# Altium PCB DIOT_Kasli_Adapter.PcbDoc (part 7 of 10) (continued)
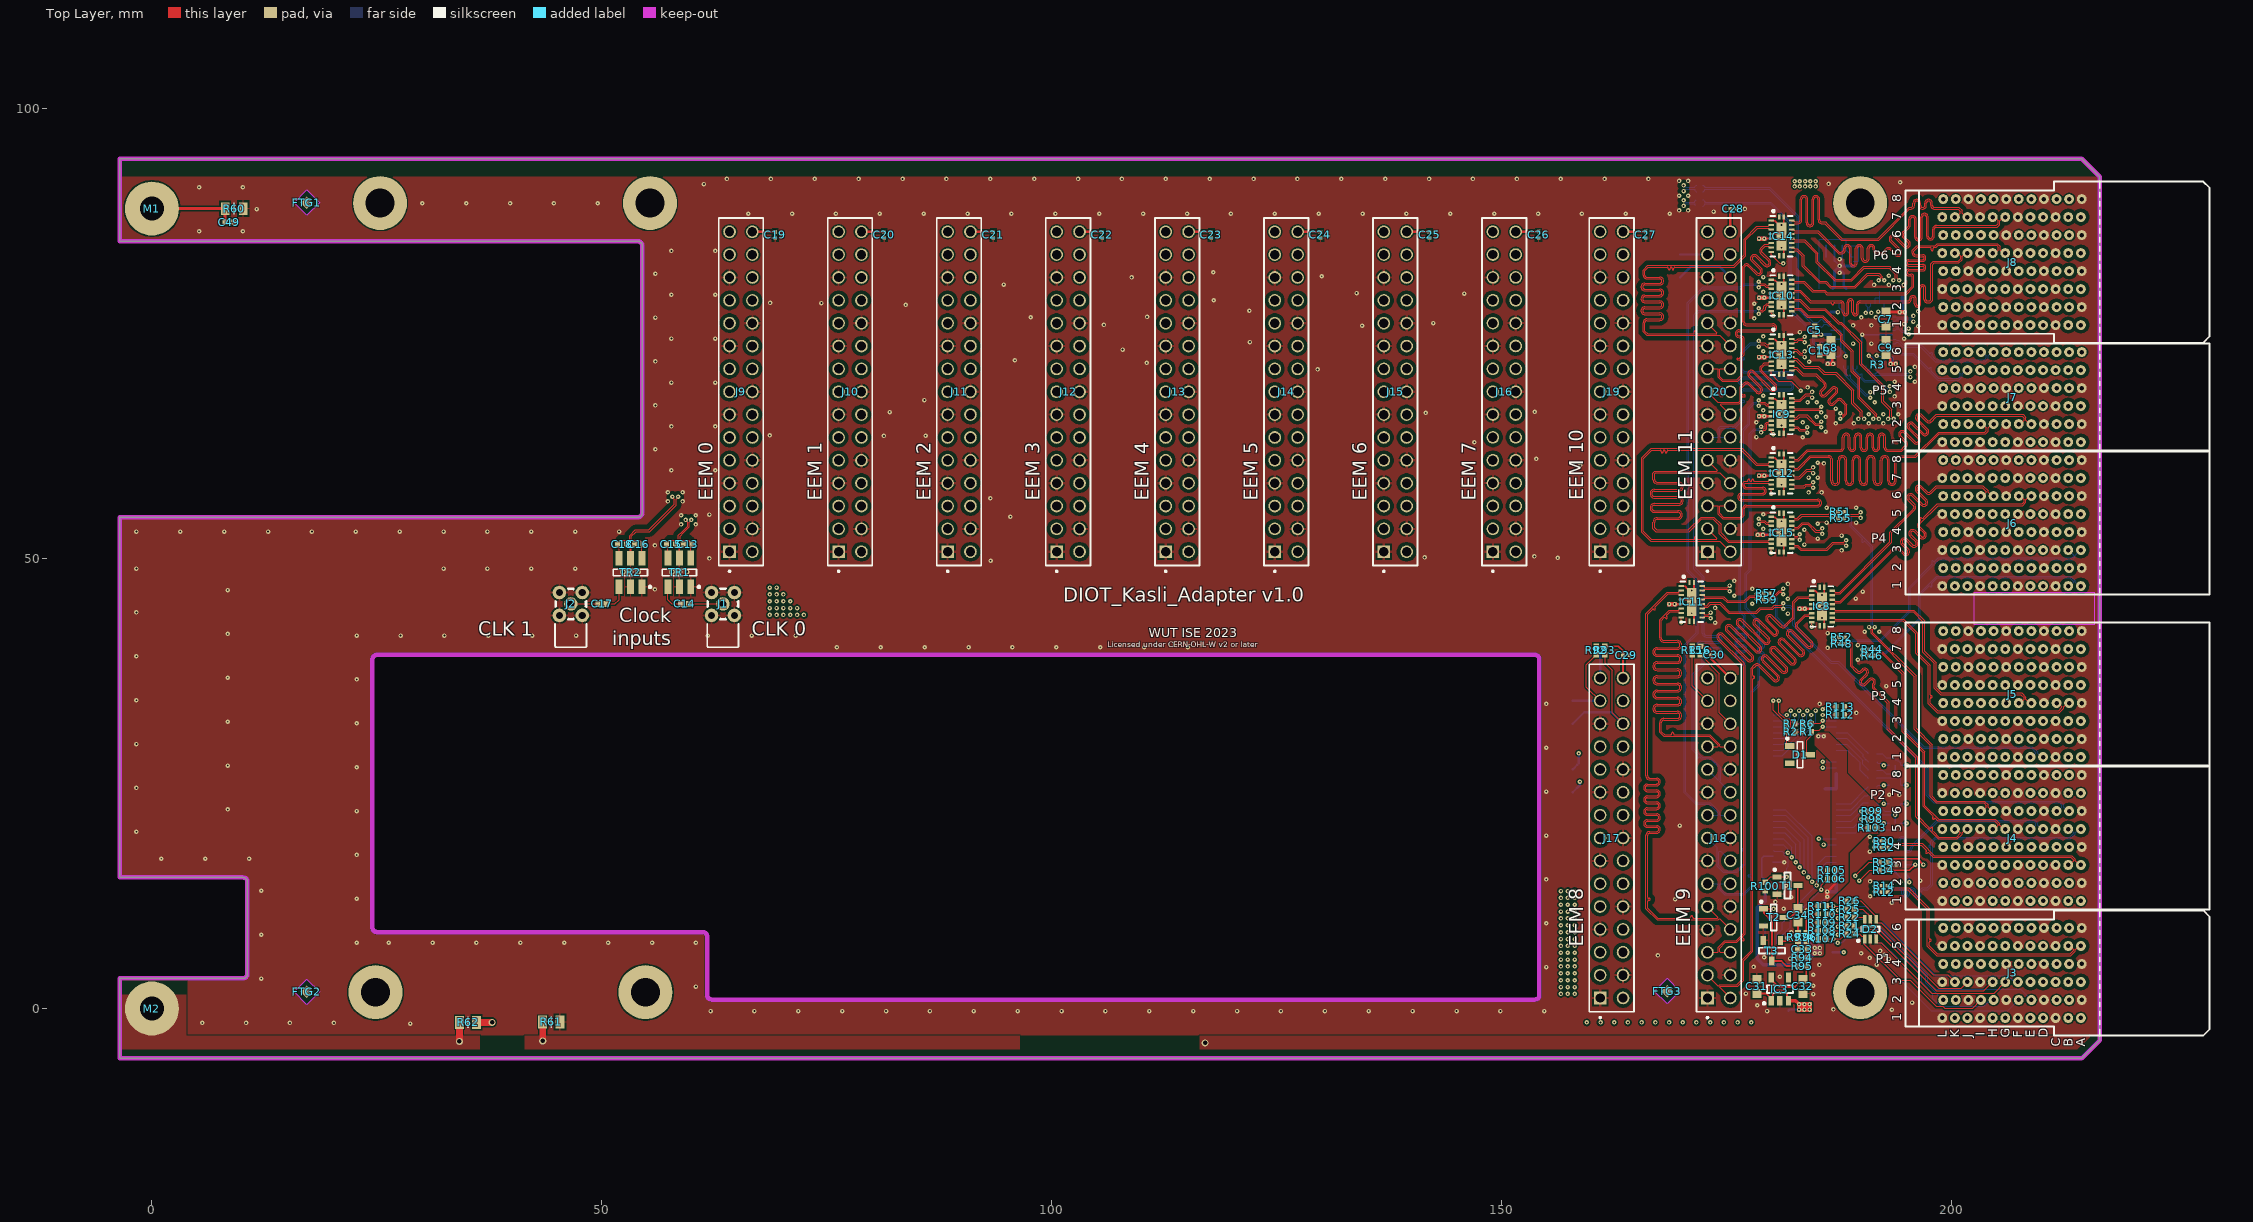
[diagram p0: Top Layer view]
## Nets (pads, with @x,y where several pads share a name; then routed paths per layer and width w, separated by ;. In a path a pad name is that pad's centre, name@x,y a point inside that pad or via, vN(x,y) a via of type N, cw(c..) or ccw(c..) an arc to the next point about the centre after c; other vN are vias at no path point) (continued)
  Top Layer w0.127: v1(185.678,33.27) 185.958,33.549 R113.2@187.166,33.549
  L3 w0.102: v1(180.205,63.815) v1(180.205,76.987)
  L6 w0.102: v1(169.977,42.947) 170.485,42.439 v1(184.447,42.439)
  L9 w0.102: 179.951,63.815 177.702,61.566 177.702,52.366 178.872,51.197 180.197,51.197 180.568,50.826 180.568,49.79 184.447,45.91 v1(184.447,42.439) 184.447,36.699 181.116,33.368 181.116,32.27 181.387,31.999 184.446,31.999 185.568,33.12 185.568,33.253 v1@185.551,33.27
  Bottom Layer w0.127: v1(185.678,33.27) IC5.13@187.166,33.27
EXT9a.LVDS_0_N: IC8.17 J6.F6 | length 34.8
  Top Layer w0.089: IC8.17@186.747,45.434 186.922,45.434 187.003,45.354 187.003,45.332 187.055,45.28 187.614,45.28 193.062,50.728 193.535,51.2 cw(c193.836,50.899) 194.136,51.2 194.743,50.593 ccw(c194.909,50.76) 195.075,50.594 ccw(c194.909,50.76) 195.075,50.926 194.438,51.563 cw(c194.738,51.865) 194.437,52.166 cw(c194.738,51.865) 195.008,52.193 195.011,52.193 195.677,51.527 ccw(c195.843,51.694) 196.009,51.528 ccw(c195.843,51.694) 196.009,51.86 195.372,52.497 cw(c195.672,52.799) 195.371,53.1 cw(c195.672,52.799) 195.942,53.127 195.945,53.127 196.611,52.461 ccw(c196.777,52.628) 196.943,52.462 ccw(c196.777,52.628) 196.943,52.794 ; 196.942,52.794 196.337,53.4 cw(c196.637,53.701) 196.337,54.002 196.435,54.101 196.491,54.156 196.522,54.188 ccw(c196.446,54.264) 196.522,54.34 196.51,54.352 cw(c196.587,54.429) 196.51,54.505 cw(c196.587,54.429) 196.663,54.505 196.675,54.493 ccw(c196.751,54.569) 196.828,54.493 196.99,54.656 198.419,56.085 207.842,56.085 208.073,56.316 208.073,56.536 207.66,56.95 J6.F6@207.469,56.95
EXT9a.LVDS_0_P: IC8.16 J6.E6 | length 34.9
  Top Layer w0.089: IC8.16@186.747,44.934 186.922,44.934 187.003,45.015 187.003,45.037 187.055,45.089 187.693,45.089 193.197,50.593 193.669,51.066 cw(c193.836,50.899) 194.002,51.066 194.608,50.46 ccw(c194.909,50.76) 195.21,50.459 ccw(c194.909,50.76) 195.238,51.03 195.238,51.033 194.572,51.699 cw(c194.738,51.865) 194.572,52.031 cw(c194.738,51.865) 194.904,52.031 195.542,51.393 ccw(c195.843,51.694) 196.144,51.393 ccw(c195.843,51.694) 196.172,51.964 196.172,51.967 195.505,52.633 cw(c195.672,52.799) 195.506,52.965 cw(c195.672,52.799) 195.838,52.965 196.476,52.327 ccw(c196.777,52.628) 197.078,52.327 ccw(c196.777,52.628) 197.106,52.898 197.106,52.901 196.471,53.536 cw(c196.637,53.701) 196.471,53.867 196.57,53.966 198.498,55.894 207.921,55.894 208.264,56.237 208.264,56.536 208.678,56.95 J6.E6@208.869,56.95
EXT9a.LVDS_1_N: IC8.18 J6.I6 | length 29.8
  Top Layer w0.089: IC8.18@186.747,45.934 186.922,45.934 187.003,46.015 187.003,46.037 187.055,46.089 187.627,46.089 193.331,51.794 193.331,52.849 195.798,55.315 195.897,55.414 ccw(c195.596,55.715) 195.897,56.015 195.286,56.626 cw(c195.452,56.792) 195.286,56.958 cw(c195.452,56.792) 195.618,56.958 196.627,55.95 ccw(c196.928,56.25) 197.229,55.949 ccw(c196.928,56.25) 197.257,56.52 197.257,56.523 196.219,57.56 cw(c196.386,57.726) 196.22,57.892 cw(c196.386,57.726) 196.552,57.892 ; 196.553,57.892 197.162,57.282 ccw(c197.464,57.582) 197.764,57.282 198.208,57.726 198.379,57.896 203.415,57.896 203.873,57.437 203.873,57.364 203.46,56.95 J6.I6@203.269,56.95
EXT9a.LVDS_1_P: IC8.19 J6.H6 | length 30.2
  Top Layer w0.089: IC8.19@186.747,46.434 186.922,46.434 187.003,46.354 187.003,46.332 187.055,46.28 187.548,46.28 193.141,51.873 193.141,52.928 195.663,55.45 195.762,55.548 ccw(c195.596,55.715) 195.762,55.881 195.152,56.491 cw(c195.452,56.792) 195.151,57.093 cw(c195.452,56.792) 195.722,57.121 195.725,57.121 196.762,56.084 ccw(c196.928,56.25) 197.094,56.084 ccw(c196.928,56.25) 197.094,56.416 ; 197.094,56.417 196.086,57.425 cw(c196.386,57.726) 196.085,58.027 cw(c196.386,57.726) 196.656,58.055 196.659,58.055 197.298,57.416 ccw(c197.464,57.582) 197.63,57.416 198.074,57.86 198.3,58.086 203.494,58.086 204.064,57.516 204.064,57.364 204.478,56.95 J6.H6@204.669,56.95
EXT9a.LVDS_2_N: IC11.18 J6.L6 | length 48.1
  Top Layer w0.089: IC11.18@172.277,46.442 172.452,46.442 172.533,46.523 172.533,46.545 172.585,46.597 175.085,46.597 175.304,46.379 v1(175.336,46.379)
  L4 w0.089: v1(175.336,46.379) 175.4,46.379 175.593,46.572 176.059,46.572 176.735,47.248 180.493,47.248 181.809,48.564 189.297,48.564 191.805,51.072 191.922,51.189 ccw(c191.585,51.526) 191.922,51.863 191.395,52.389 cw(c191.561,52.555) 191.395,52.721 cw(c191.561,52.555) 191.728,52.721 192.525,51.923 ccw(c192.863,52.259) 193.199,51.923 ccw(c192.863,52.259) 193.235,52.557 193.235,52.561 192.4,53.395 cw(c192.567,53.561) 192.401,53.727 cw(c192.567,53.561) 192.733,53.727 193.531,52.929 ccw(c193.868,53.265) 194.205,52.929 ccw(c193.868,53.265) 194.241,53.563 194.241,53.567 193.406,54.401 cw(c193.573,54.567) 193.407,54.733 cw(c193.573,54.567) 193.739,54.733 194.537,53.935 ccw(c194.874,54.271) 195.211,53.934 ccw(c194.874,54.271) 195.246,54.568 195.246,54.572 194.412,55.407 cw(c194.579,55.572) 194.412,55.739 cw(c194.579,55.572) 194.745,55.738 195.543,54.941 ccw(c195.88,55.277) 196.217,54.94 ccw(c195.88,55.277) 196.252,55.574 196.252,55.578 195.418,56.413 cw(c195.584,56.578) 195.418,56.744 cw(c195.584,56.578) 195.751,56.744 196.276,56.219 ccw(c196.614,56.555) 196.95,56.218 197.53,56.798 197.531,56.799 197.715,56.983 cw(c197.792,56.907) 197.868,56.983 197.874,56.977 ccw(c197.95,57.053) 198.027,56.977 ccw(c197.95,57.053) 198.027,57.13 198.021,57.136 cw(c198.097,57.212) 198.021,57.288 198.141,57.408 198.485,57.753 199.36,57.753 199.648,57.464 199.648,57.361 199.237,56.95 J6.L6@199.069,56.95
EXT9a.LVDS_2_P: IC11.19 J6.K6 | length 48.2
  Top Layer w0.089: IC11.19@172.277,46.942 172.452,46.942 172.533,46.862 172.533,46.84 172.585,46.788 175.085,46.788 175.304,47.006 v1(175.336,47.006)
  L4 w0.089: v1(175.336,47.006) 175.4,47.006 175.593,46.813 175.959,46.813 176.635,47.489 180.393,47.489 181.709,48.805 189.197,48.805 191.634,51.243 191.751,51.36 ccw(c191.585,51.526) 191.751,51.692 191.225,52.218 cw(c191.561,52.555) 191.224,52.892 cw(c191.561,52.555) 191.858,52.927 191.863,52.927 192.697,52.093 ccw(c192.863,52.259) 193.029,52.093 ccw(c192.863,52.259) 193.029,52.426 192.231,53.223 cw(c192.567,53.561) 192.23,53.898 cw(c192.567,53.561) 192.864,53.933 192.868,53.933 193.703,53.099 ccw(c193.868,53.265) 194.035,53.099 ccw(c193.868,53.265) 194.034,53.432 193.237,54.229 cw(c193.573,54.567) 193.236,54.903 ; 193.236,54.903 cw(c193.573,54.567) 193.87,54.939 193.874,54.939 194.708,54.105 ccw(c194.874,54.271) 195.04,54.105 ccw(c194.874,54.271) 195.04,54.437 194.243,55.235 cw(c194.579,55.572) 194.242,55.909 cw(c194.579,55.572) 194.876,55.945 194.88,55.945 195.714,55.11 ccw(c195.88,55.277) 196.046,55.111 ccw(c195.88,55.277) 196.046,55.443 195.248,56.241 cw(c195.584,56.578) 195.248,56.915 cw(c195.584,56.578) 195.882,56.95 195.886,56.95 196.448,56.388 ccw(c196.614,56.555) 196.78,56.389 197.36,56.969 198.385,57.994 199.46,57.994 199.889,57.564 199.889,57.341 200.281,56.95 J6.K6@200.469,56.95
EXT9a.LVDS_3_N: IC9.17 J8.B5 | length 45.9
  Top Layer w0.089: IC9.17@182.251,66.811 182.426,66.811 182.507,66.73 182.507,66.708 182.559,66.656 185.271,66.656 185.489,66.874 v1(185.521,66.874)
  L3 w0.089: v1(185.521,66.874) 185.586,66.874 185.779,66.681 185.926,66.681 188.226,68.981 188.226,71.462 188.907,72.143 188.907,72.677 188.226,73.357 188.226,76.37 189.152,77.295 189.152,78.162 189.698,78.708 189.698,80.664 192.047,83.013 213.124,83.013 213.548,83.437 213.548,83.511 213.109,83.95 J8.B5@212.969,83.95
EXT9a.LVDS_3_P: IC9.16 J8.A5 | length 46.3
  Top Layer w0.089: IC9.16@182.251,66.311 182.426,66.311 182.507,66.391 182.507,66.413 182.559,66.465 185.271,66.465 185.489,66.247 v1(185.521,66.247)
  L3 w0.089: v1(185.521,66.247) 185.586,66.247 185.779,66.44 186.026,66.44 188.467,68.881 188.467,71.362 189.148,72.043 189.148,72.777 188.467,73.457 188.467,76.27 189.393,77.195 189.393,78.062 189.939,78.608 189.939,80.564 192.147,82.772 213.224,82.772 213.789,83.337 213.789,83.511 214.229,83.95 J8.A5@214.369,83.95
EXT9a.LVDS_4_N: IC9.18 J8.E5 | length 42.2
  Top Layer w0.089: IC9.18@182.251,67.311 182.426,67.311 182.507,67.391 182.507,67.413 182.559,67.465 183.205,67.465 183.848,68.108 184.255,68.108 184.473,67.89 v1(184.505,67.89)
  L3 w0.089: v1(184.505,67.89) 184.57,67.89 184.763,68.083 185.075,68.083 185.405,68.413 185.405,71.936 185.893,72.425 186.262,72.425 187.369,73.531 187.369,76.216 188.511,77.359 188.511,78.657 189.164,79.31 189.164,80.795 191.878,83.508 194.041,83.508 194.206,83.508 ccw(c194.206,83.921) 194.619,83.921 194.619,84.123 cw(c194.79,84.123) 194.962,84.123 194.962,83.921 ccw(c195.374,83.921) 195.374,83.508 195.885,83.508 196.949,83.508 197.106,83.665 197.29,83.849 cw(c197.367,83.773) 197.443,83.849 197.497,83.795 ccw(c197.574,83.872) 197.65,83.795 ccw(c197.574,83.871) 197.65,83.948 197.596,84.002 cw(c197.672,84.078) 197.596,84.155 197.83,84.389 198.24,84.799 209.057,84.799 209.348,84.507 209.348,84.434 208.865,83.95 J8.E5@208.769,83.95
EXT9a.LVDS_4_P: IC9.19 J8.D5 | length 42.2
  Top Layer w0.089: IC9.19@182.251,67.811 182.426,67.811 182.507,67.73 182.507,67.708 182.559,67.656 183.126,67.656 183.769,68.299 184.255,68.299 184.473,68.517 v1(184.505,68.517)
  L3 w0.089: v1(184.505,68.517) 184.57,68.517 184.763,68.324 184.975,68.324 185.164,68.513 185.164,72.036 185.793,72.666 186.162,72.666 187.127,73.631 187.127,76.316 188.27,77.459 188.27,78.757 188.922,79.41 188.922,80.894 191.778,83.75 194.041,83.75 194.206,83.75 ccw(c194.206,83.921) 194.377,83.921 194.377,84.123 cw(c194.79,84.123) 195.203,84.123 195.203,83.921 ccw(c195.374,83.921) 195.374,83.75 195.885,83.75 196.849,83.75 198.14,85.04 209.157,85.04 209.589,84.607 209.589,84.434 210.073,83.95 J8.D5@210.169,83.95
EXT9a.LVDS_5_N: IC10.18 J8.H5 | length 37.1
  Top Layer w0.089: IC10.18@182.251,80.483 182.426,80.483 182.507,80.563 182.507,80.585 182.559,80.637 183.538,80.637 184.532,79.644 185.835,79.644 186.127,79.351 194.986,79.351 195.821,80.187 195.821,80.721 195.821,81.267 ccw(c195.459,81.267) 195.459,81.629 195.231,81.629 cw(c195.231,81.801) 195.231,81.972 196.786,81.972 ccw(c196.786,82.334) 196.786,82.696 195.231,82.696 cw(c195.231,82.867) 195.231,83.039 196.786,83.039 ccw(c196.786,83.401) 196.786,83.763 195.993,83.763 cw(c195.993,83.934) 195.821,83.934 195.821,84.074 195.821,84.17 196.233,84.582 197.358,84.582 197.618,84.582 cw(c197.618,84.474) 197.726,84.474 197.726,84.327 ccw(c197.834,84.327) 197.942,84.327 197.942,84.474 cw(c198.05,84.474) 198.05,84.582 198.247,84.582 198.278,84.582 198.508,84.812 204.997,84.812 205.196,84.613 205.196,84.27 205.117,84.19 205.083,84.19 204.842,83.95 J8.H5@204.569,83.95
EXT9a.LVDS_5_P: IC10.19 J8.G5 | length 36.8
  Top Layer w0.089: IC10.19@182.251,80.983 182.426,80.983 182.507,80.902 182.507,80.88 182.559,80.828 183.617,80.828 184.611,79.834 185.914,79.834 186.206,79.541 194.907,79.541 195.631,80.266 195.631,80.721 195.631,81.267 ccw(c195.459,81.267) 195.459,81.439 195.231,81.439 cw(c195.231,81.801) 195.231,82.163 196.786,82.163 ccw(c196.786,82.334) 196.786,82.506 195.231,82.506 cw(c195.231,82.867) 195.231,83.229 196.786,83.229 ccw(c196.786,83.401) 196.786,83.572 195.993,83.572 cw(c195.993,83.934) 195.631,83.934 195.631,84.074 195.631,84.249 196.155,84.773 198.199,84.773 198.429,85.003 205.076,85.003 205.387,84.692 205.387,84.272 205.695,83.964 205.695,83.95 J8.G5@205.969,83.95
EXT9a.LVDS_6_N: IC10.17 J8.K5 | length 34.9
  Top Layer w0.089: IC10.17@182.251,79.983 182.426,79.983 182.507,79.902 182.507,79.88 182.559,79.828 183.184,79.828 184.376,78.635 187.274,78.635 187.693,78.635 cw(c187.693,78.273) 188.055,78.273 188.055,77.36 ccw(c188.227,77.36) 188.398,77.36 188.398,78.502 cw(c188.76,78.502) 189.122,78.502 189.122,77.36 ccw(c189.293,77.36) 189.465,77.36 189.465,78.273 cw(c189.827,78.273) 189.827,78.635 189.967,78.635 195.021,78.635 195.161,78.635 ccw(c195.161,78.807) 195.332,78.807 195.332,78.868 cw(c195.694,78.868) 196.056,78.868 196.056,78.316 ccw(c196.228,78.316) 196.399,78.316 196.399,80.074 cw(c196.761,80.074) 197.123,80.074 197.123,78.807 ccw(c197.295,78.807) 197.295,78.635 197.558,78.635 197.697,78.774 197.697,80.48 197.697,82.76 197.989,83.052 200.741,83.052 200.996,83.308 200.996,83.63 200.917,83.71 200.883,83.71 200.642,83.95 J8.K5@200.369,83.95
EXT9a.LVDS_6_P: IC10.16 J8.J5 | length 35.4
  Top Layer w0.089: IC10.16@182.251,79.483 182.426,79.483 182.507,79.563 182.507,79.585 182.559,79.637 183.105,79.637 184.297,78.445 186.309,78.445 186.569,78.445 cw(c186.569,78.337) 186.677,78.337 186.677,78.326 ccw(c186.785,78.326) 186.893,78.326 186.893,78.337 cw(c187.001,78.337) 187.001,78.445 187.274,78.445 187.693,78.445 cw(c187.693,78.273) 187.865,78.273 187.865,77.36 ccw(c188.227,77.36) 188.589,77.36 188.589,78.502 cw(c188.76,78.502) 188.932,78.502 188.932,77.36 ccw(c189.293,77.36) 189.655,77.36 189.655,78.273 cw(c189.827,78.273) 189.827,78.445 189.967,78.445 195.021,78.445 195.161,78.445 ccw(c195.161,78.807) 195.523,78.807 195.523,78.868 cw(c195.694,78.868) 195.866,78.868 195.866,78.316 ccw(c196.228,78.316) 196.59,78.316 196.59,80.074 cw(c196.761,80.074) 196.933,80.074 196.933,78.807 ccw(c197.295,78.807) 197.295,78.445 197.637,78.445 197.79,78.598 197.887,78.695 197.887,82.681 198.068,82.861 200.82,82.861 201.187,83.229 201.187,83.628 201.495,83.936 201.495,83.95 J8.J5@201.769,83.95
EXT9a.LVDS_7_N: IC11.16 R58.2 R59.1 | length 8.6
  Top Layer w0.089: IC11.16@172.277,45.442 172.452,45.442 172.533,45.523 172.533,45.545 172.585,45.597 173.042,45.597 174.582,45.597 175.052,45.127 176.538,45.127 177.046,45.127 177.625,45.707 178.108,45.707 178.326,45.488 v1(178.358,45.488) 178.39,45.488 178.608,45.707 178.877,45.707 178.929,45.655 178.929,45.612 179.095,45.446 R59.1@179.115,45.446
  Bottom Layer w0.089: v1(178.358,45.488) 178.39,45.488 178.608,45.707 178.877,45.707 178.929,45.655 178.929,45.612 179.095,45.446 R58.2@179.115,45.446
EXT9a.LVDS_7_P: IC11.17 R56.2 R57.1 | length 8.6
  Top Layer w0.089: IC11.17@172.277,45.942 172.452,45.942 172.533,45.862 172.533,45.84 172.585,45.788 172.963,45.788 174.661,45.788 175.131,45.318 176.459,45.318 176.967,45.318 177.546,45.897 178.108,45.897 178.326,46.115 v1(178.358,46.115) ; v1@178.39,46.115 178.608,45.897 178.877,45.897 178.929,45.949 178.929,45.992 179.095,46.158 R57.1@179.115,46.158
  Bottom Layer w0.089: v1(178.358,46.115) 178.39,46.115 178.608,45.897 178.877,45.897 178.929,45.949 178.929,45.992 179.095,46.158 R56.2@179.115,46.158
EXT9b.LVDS_0_N: IC8.13 J5.C4 | length 34.9
  Top Layer w0.089: IC8.13@186.747,43.434 186.922,43.434 187.003,43.354 187.003,43.332 187.055,43.28 194.668,43.28 196.227,41.72 196.227,39.536 197.611,38.152 197.611,34.9 197.611,34.855 ccw(c197.719,34.855) 197.719,34.747 197.743,34.747 cw(c197.743,34.639) 197.743,34.531 197.719,34.531 ccw(c197.719,34.423) 197.611,34.423 197.611,34.239 197.611,33.95 198.48,33.081 211.892,33.081 212.273,33.463 212.273,33.536 211.86,33.95 J5.C4@211.669,33.95
EXT9b.LVDS_0_P: IC8.12 J5.B4 | length 34.9
  Top Layer w0.089: IC8.12@186.747,42.934 186.922,42.934 187.003,43.015 187.003,43.037 187.055,43.089 194.589,43.089 196.036,41.641 196.036,39.457 197.42,38.073 197.42,33.871 198.401,32.89 211.971,32.89 212.464,33.384 212.464,33.536 212.878,33.95 J5.B4@213.069,33.95
EXT9b.LVDS_1_N: IC8.14 J5.F4 | length 29.9
  Top Layer w0.089: IC8.14@186.747,43.934 186.922,43.934 187.003,44.015 187.003,44.037 187.055,44.089 195.734,44.089 196.818,43.005 196.818,39.609 198.081,38.347 198.081,35.584 198.774,34.891 207.699,34.891 208.073,34.516 208.073,34.364 207.66,33.95 J5.F4@207.469,33.95
EXT9b.LVDS_1_P: IC8.15 J5.E4 | length 30.2
  Top Layer w0.089: IC8.15@186.747,44.434 186.922,44.434 187.003,44.354 187.003,44.332 187.055,44.28 195.813,44.28 197.009,43.084 197.009,39.688 198.271,38.425 198.271,35.663 198.853,35.082 207.777,35.082 208.264,34.595 208.264,34.364 208.678,33.95 J5.E4@208.869,33.95
EXT9b.LVDS_2_N: IC11.14 J5.E1 | length 46.7
  Top Layer w0.089: IC11.14@172.277,44.442 172.452,44.442 172.533,44.523 172.533,44.545 172.585,44.597 172.881,44.597 173.221,44.937 174.227,44.937 175.24,43.923 178.333,43.923 178.778,44.369 180.105,44.369 180.356,44.621 181.053,44.621 181.271,44.402 v1(181.303,44.402)
  Bottom Layer w0.089: v1(181.303,44.402) 181.335,44.402 181.553,44.621 181.998,44.621 182.355,44.264 182.355,42.606 186.576,38.385 187.379,38.385 196.861,28.904 208.907,28.904 209.373,28.437 209.373,28.364 208.96,27.95 J5.E1@208.769,27.95
EXT9b.LVDS_2_P: IC11.15 J5.D1 | length 47
  Top Layer w0.089: IC11.15@172.277,44.942 172.452,44.942 172.533,44.862 172.533,44.84 172.585,44.788 172.802,44.788 173.142,45.127 174.305,45.127 175.319,44.114 178.254,44.114 178.7,44.56 180.026,44.56 180.277,44.811 181.053,44.811 181.271,45.029 v1(181.303,45.029)
  Bottom Layer w0.089: v1(181.303,45.029) 181.335,45.029 181.553,44.811 182.077,44.811 182.546,44.343 182.546,42.685 186.655,38.576 187.458,38.576 196.939,29.094 208.986,29.094 209.564,28.516 209.564,28.364 209.978,27.95 J5.D1@210.169,27.95
EXT9b.LVDS_3_N: IC9.13 J5.H7 | length 45.8
  Top Layer w0.089: IC9.13@182.251,64.811 182.426,64.811 182.507,64.73 182.507,64.708 182.559,64.656 182.908,64.656 183.162,64.402 183.713,64.402 183.932,64.62 v1(183.964,64.62)
  L3 w0.089: v1(183.964,64.62) 184.028,64.62 184.221,64.427 184.558,64.427 184.729,64.257 185.117,63.868 cw(c184.781,63.531) 185.117,63.194 184.473,62.55 ; 184.473,62.218 cw(c184.639,62.384) 184.473,62.55 ; 184.473,62.217 ccw(c184.639,62.384) 184.805,62.217 185.45,62.862 cw(c185.787,62.525) 186.123,62.862 186.24,62.745 191.795,57.19 191.795,52.807 195.326,49.276 195.326,39.421 195.656,39.09 205.02,39.09 205.148,39.218 205.148,39.511 204.709,39.95 J5.H7@204.569,39.95
EXT9b.LVDS_3_P: IC9.12 J5.G7 | length 46.2
  Top Layer w0.089: IC9.12@182.251,64.311 182.426,64.311 182.507,64.391 182.507,64.413 182.559,64.465 182.829,64.465 183.083,64.211 183.713,64.211 183.932,63.993 v1(183.964,63.993)
  L3 w0.089: v1(183.964,63.993) 184.028,63.993 184.221,64.186 184.458,64.186 184.558,64.086 184.947,63.697 cw(c184.781,63.531) 184.947,63.365 184.267,62.685 184.267,62.681 ccw(c184.639,62.384) 184.976,62.047 185.62,62.691 cw(c185.787,62.525) 185.953,62.691 186.069,62.575 191.554,57.09 191.554,52.707 195.085,49.176 195.085,39.321 195.556,38.849 205.12,38.849 205.389,39.119 205.389,39.511 205.829,39.95 J5.G7@205.969,39.95
EXT9b.LVDS_4_N: IC9.14 J5.K7 | length 42.3
  Top Layer w0.089: IC9.14@182.251,65.311 182.426,65.311 182.507,65.391 182.507,65.413 182.559,65.465 182.845,65.465 183.158,65.778 183.878,65.778 184.834,64.822 185.271,64.822 185.489,64.604 v1(185.521,64.604)
  L3 w0.089: v1(185.521,64.604) 185.586,64.604 185.779,64.797 186.124,64.797 186.603,64.318 186.603,63.117 192.328,57.392 192.328,53.358 195.796,49.891 195.796,44.704 195.796,44.539 ccw(c196.272,44.539) 196.272,44.063 196.691,44.063 cw(c196.691,43.828) 196.691,43.593 196.272,43.593 ccw(c196.272,43.116) 196.272,42.64 196.691,42.64 cw(c196.691,42.405) 196.691,42.17 196.272,42.17 ccw(c196.272,41.694) 195.796,41.694 195.796,41.166 195.796,41.045 196.087,40.754 197.459,40.754 197.618,40.754 cw(c197.618,40.646) 197.726,40.646 197.726,40.64 ccw(c197.834,40.64) 197.942,40.64 197.942,40.646 cw(c198.05,40.646) 198.05,40.754 198.095,40.754 200.741,40.754 200.948,40.548 200.948,40.361 200.537,39.95 J5.K7@200.369,39.95
EXT9b.LVDS_4_P: IC9.15 J5.J7 | length 42.4
  Top Layer w0.089: IC9.15@182.251,65.811 182.426,65.811 182.507,65.73 182.507,65.708 182.559,65.656 182.766,65.656 183.079,65.969 183.957,65.969 184.913,65.013 185.271,65.013 185.489,65.231 v1(185.521,65.231)
  L3 w0.089: v1(185.521,65.231) 185.586,65.231 185.779,65.038 186.224,65.038 186.845,64.418 186.845,63.217 192.57,57.492 192.57,53.458 196.037,49.991 196.037,44.704 196.037,44.539 ccw(c196.272,44.539) 196.272,44.304 196.691,44.304 cw(c196.691,43.828) 196.691,43.351 196.272,43.351 ccw(c196.272,43.116) 196.272,42.882 196.691,42.882 cw(c196.691,42.405) 196.691,41.929 196.272,41.929 ccw(c196.272,41.694) 196.037,41.694 196.037,41.166 196.037,41.145 196.187,40.996 200.841,40.996 201.189,40.648 201.189,40.341 201.581,39.95 J5.J7@201.769,39.95
EXT9b.LVDS_5_N: IC10.14 J6.H7 | length 36.8
  Top Layer w0.089: IC10.14@182.251,78.483 182.426,78.483 182.507,78.563 182.507,78.585 182.559,78.637 183.095,78.637 184.136,77.597 185.9,77.597 187.417,76.08 187.679,76.08 189.819,73.94 189.819,71.594 192.265,69.148 192.265,67.391 193.156,66.5 193.156,65.781 192.938,65.562 v1(192.938,65.53)
  L3 w0.089: v1(192.938,65.53) 192.938,65.466 193.13,65.273 193.13,63.262 196.563,59.829 197.231,59.829 197.466,59.829 cw(c197.466,59.721) 197.574,59.721 197.574,59.551 ccw(c197.682,59.551) 197.79,59.551 197.79,59.721 cw(c197.898,59.721) 197.898,59.829 197.942,59.829 204.781,59.829 205.148,59.463 205.148,59.389 204.709,58.95 J6.H7@204.569,58.95
EXT9b.LVDS_5_P: IC10.15 J6.G7 | length 36.6
  Top Layer w0.089: IC10.15@182.251,78.983 182.426,78.983 182.507,78.902 182.507,78.88 182.559,78.828 183.174,78.828 184.215,77.787 185.979,77.787 187.495,76.27 187.758,76.27 190.009,74.019 190.009,71.672 192.455,69.227 192.455,67.47 193.346,66.579 193.346,65.781 193.565,65.562 v1(193.565,65.53)
  L3 w0.089: v1(193.565,65.53) 193.565,65.466 193.372,65.273 193.372,63.362 196.663,60.071 204.881,60.071 205.389,59.563 205.389,59.389 205.829,58.95 J6.G7@205.969,58.95
EXT9b.LVDS_6_N: IC10.13 J6.K7 | length 34.6
  Top Layer w0.089: IC10.13@182.251,77.983 182.426,77.983 182.507,77.902 182.507,77.88 182.559,77.828 183.24,77.828 184.055,77.013 185.702,77.013 187.85,74.864 187.85,74.256 189.061,73.045 189.061,70.828 189.808,70.081 189.808,67.914 191.703,66.019 191.703,65.781 191.922,65.562 v1(191.922,65.53)
  L3 w0.089: v1(191.922,65.53) 191.922,65.466 191.729,65.273 191.729,62.763 196.172,58.32 196.409,58.083 196.664,58.083 cw(c196.664,57.607) 197.14,57.607 197.14,57.164 ccw(c197.375,57.164) 197.61,57.164 197.61,57.607 cw(c198.086,57.607) 198.086,58.083 198.251,58.083 200.594,58.083 200.948,58.437 200.948,58.511 200.509,58.95 J6.K7@200.369,58.95
EXT9b.LVDS_6_P: IC10.12 J6.J7 | length 35.1
  Top Layer w0.089: IC10.12@182.251,77.483 182.426,77.483 182.507,77.563 182.507,77.585 182.559,77.637 183.161,77.637 183.976,76.823 185.623,76.823 187.66,74.785 187.66,74.177 188.871,72.966 188.871,70.749 189.618,70.002 189.618,67.835 191.513,65.941 191.513,65.781 191.295,65.562 v1(191.295,65.53)
  L3 w0.089: v1(191.295,65.53) 191.295,65.466 191.487,65.273 191.487,62.663 196.09,58.061 196.309,57.842 196.664,57.842 cw(c196.664,57.607) 196.899,57.607 196.899,57.164 ccw(c197.375,57.164) 197.851,57.164 197.851,57.607 cw(c198.086,57.607) 198.086,57.842 198.251,57.842 200.694,57.842 201.189,58.337 201.189,58.511 201.629,58.95 J6.J7@201.769,58.95
EXT9b.LVDS_7_N: IC11.12 J6.C8 | length 54.9
  Top Layer w0.089: IC11.12@172.277,43.442 172.452,43.442 172.533,43.523 172.533,43.545 172.585,43.597 172.967,43.597 173.185,43.379 v1(173.217,43.379)
  L4 w0.089: v1(173.217,43.379) 173.282,43.379 173.474,43.572 173.978,43.572 174.627,44.221 174.627,47.627 175.386,48.387 179.93,48.387 181.279,49.736 188.474,49.736 189.765,51.027 189.765,52.497 194.946,57.678 194.946,58.358 195.914,59.326 cw(c196.08,59.16) 196.246,59.326 196.96,58.612 ccw(c197.296,58.949) 197.633,58.612 ccw(c197.296,58.949) 197.633,59.286 196.971,59.948 196.919,60 cw(c197.086,60.165) 196.92,60.331 197.037,60.448 198.44,61.851 211.92,61.851 212.248,61.523 212.248,61.361 211.837,60.95 J6.C8@211.669,60.95
EXT9b.LVDS_7_P: IC11.13 J6.B8 | length 55.3
  Top Layer w0.089: IC11.13@172.277,43.942 172.452,43.942 172.533,43.862 172.533,43.84 172.585,43.788 172.967,43.788 173.185,44.006 v1(173.217,44.006)
  L4 w0.089: v1(173.217,44.006) 173.282,44.006 173.474,43.813 173.878,43.813 174.386,44.321 174.386,47.727 175.287,48.628 179.83,48.628 181.18,49.978 188.374,49.978 189.524,51.127 189.524,52.597 194.705,57.778 194.705,58.458 194.775,58.528 195.743,59.496 cw(c196.08,59.16) 196.417,59.496 197.13,58.783 ccw(c197.296,58.949) 197.462,58.783 ccw(c197.296,58.949) 197.462,59.115 196.75,59.828 cw(c197.086,60.165) 196.749,60.502 196.866,60.619 198.34,62.093 212.02,62.093 212.489,61.623 212.489,61.341 212.881,60.95 J6.B8@213.069,60.95
EXT10.LVDS_0_N: J5.I4 J19.3 | length 69.5
  L4 w0.089: J19.3@160.947,53.31 162.095,52.162 162.297,52.162 162.356,52.221 166.459,52.221 167.24,51.44 167.24,51.029 167.24,50.863 ccw(c167.411,50.863) 167.411,50.692 167.882,50.692 cw(c167.882,50.279) 167.882,49.867 166.557,49.867 ccw(c166.557,49.695) 166.557,49.524 167.882,49.524 cw(c167.882,49.111) 167.882,48.698 166.557,48.698 ccw(c166.557,48.527) 166.557,48.355 167.882,48.355 cw(c167.882,47.942) 167.882,47.53 166.557,47.53 ccw(c166.557,47.358) 166.557,47.187 167.882,47.187 cw(c167.882,46.774) 167.882,46.361 166.557,46.361 ccw(c166.557,46.19) 166.557,46.018 166.827,46.018 cw(c166.827,45.606) 167.24,45.606 167.24,45.11 167.24,44.584 170.431,41.393 182.381,41.393 185.204,38.57 187.363,38.57 189.066,36.867 194.035,36.867 197.876,33.026 203.771,33.026 203.848,33.103 203.848,33.371 J5.I4@203.269,33.95
EXT10.LVDS_0_P: J5.H4 J19.2 | length 69.6
  L4 w0.089: J19.2@163.487,50.77 162.403,51.854 162.403,51.927 162.456,51.979 166.359,51.979 166.998,51.34 166.998,51.029 166.998,50.863 ccw(c167.411,50.863) 167.411,50.451 167.882,50.451 cw(c167.882,50.279) 167.882,50.108 166.557,50.108 ccw(c166.557,49.695) 166.557,49.282 167.882,49.282 cw(c167.882,49.111) 167.882,48.939 166.557,48.939 ccw(c166.557,48.527) 166.557,48.114 167.882,48.114 cw(c167.882,47.942) 167.882,47.771 166.557,47.771 ccw(c166.557,47.358) 166.557,46.946 167.882,46.946 cw(c167.882,46.774) 167.882,46.603 166.557,46.603 ccw(c166.557,46.19) 166.557,45.777 166.827,45.777 cw(c166.827,45.606) 166.998,45.606 166.998,45.11 166.998,44.484 170.331,41.152 182.281,41.152 185.104,38.329 187.263,38.329 188.966,36.625 193.935,36.625 197.776,32.784 203.871,32.784 204.089,33.003 204.089,33.371 J5.H4@204.669,33.95
EXT10.LVDS_1_N: J5.L4 J19.6 | length 69.5
  L4 w0.089: J19.6@163.487,55.85 162.39,55.85 162.338,55.902 162.338,56.275 162.999,56.936 164.831,56.936 164.909,56.858 165.094,56.674 cw(c165.017,56.597) 165.094,56.521 164.903,56.33 ccw(c164.979,56.254) 164.903,56.177 ccw(c164.979,56.254) 165.055,56.177 165.246,56.368 cw(c165.323,56.292) 165.399,56.368 165.595,56.172 165.773,55.994 165.889,55.878 ccw(c166.182,56.169) 166.474,55.878 166.85,56.254 cw(c166.971,56.133) 167.093,56.012 166.125,55.044 ccw(c166.416,54.752) 166.125,54.46 ccw(c166.416,54.752) 166.708,54.46 ; 166.709,54.46 167.676,55.428 cw(c167.797,55.306) 167.918,55.428 cw(c167.797,55.306) 167.919,55.186 166.951,54.217 ccw(c167.243,53.926) 166.951,53.634 ccw(c167.243,53.926) 167.535,53.634 ; 167.535,53.634 168.502,54.601 cw(c168.623,54.48) 168.745,54.601 cw(c168.623,54.48) 168.745,54.359 167.777,53.391 ccw(c168.069,53.099) 167.777,52.808 ccw(c168.069,53.099) 168.361,52.808 ; 168.361,52.808 169.328,53.775 cw(c169.45,53.654) 169.571,53.775 cw(c169.45,53.654) 169.571,53.533 168.603,52.565 ccw(c168.895,52.273) 168.603,51.982 ; 168.604,51.981 ccw(c168.895,52.273) 169.187,51.981 ; 169.187,51.982 170.154,52.949 cw(c170.276,52.828) 170.397,52.949 cw(c170.276,52.828) 170.398,52.707 170.021,52.33 ccw(c170.313,52.039) 170.021,51.746 170.37,51.397 170.993,50.775 170.993,49.251 171.96,48.283 171.96,42.82 172.811,41.969 182.724,41.969 185.551,39.141 187.873,39.141 189.229,37.785 194.711,37.785 197.695,34.801 199.365,34.801 199.648,34.518 199.648,34.361 199.237,33.95 J5.L4@199.069,33.95